# KiCad board schiffre_86_pcb.kicad_pcb (continued)
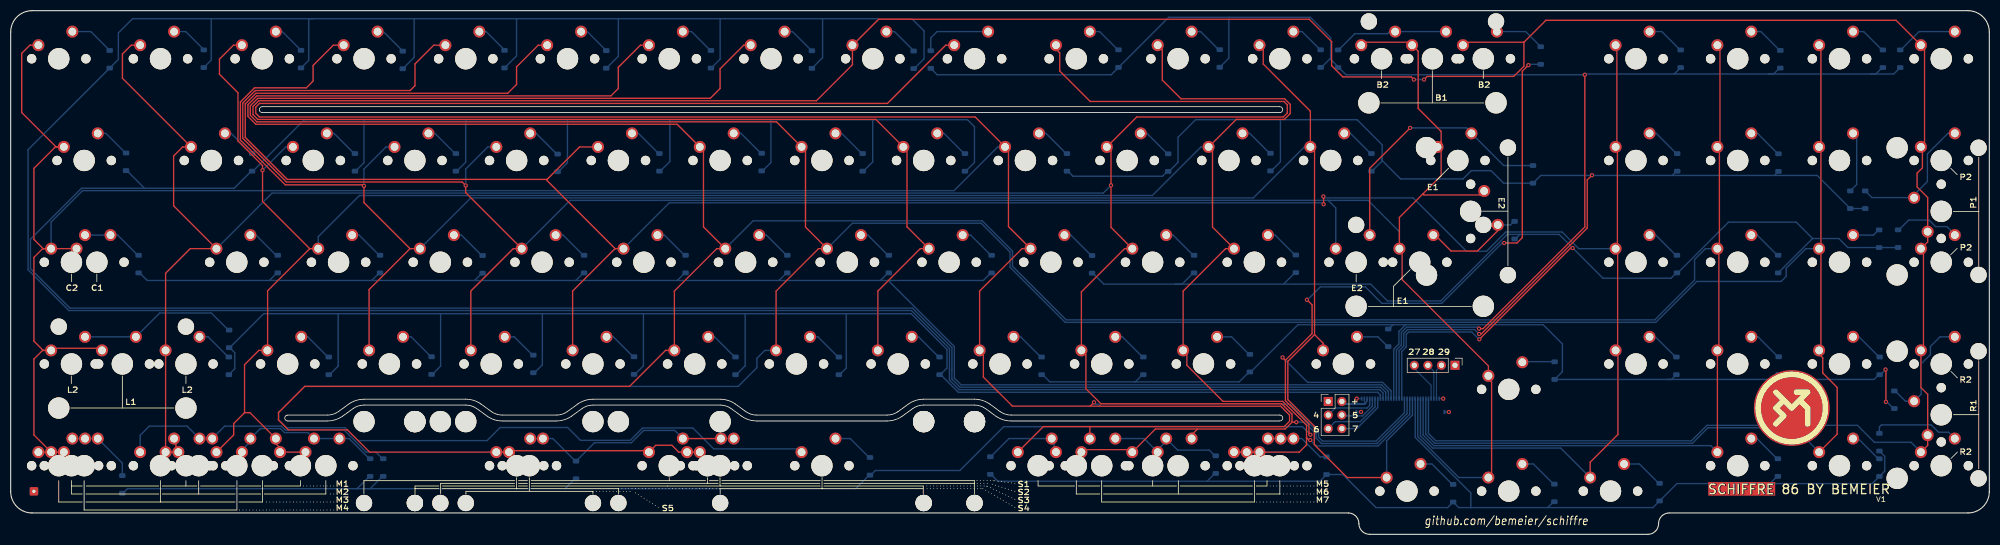
[diagram p0: board, top side]
## Nets (continued)
Net-(D63-A): D63.2 MX66.2
Net-(D65-A): D65.2 MX71.2 MX73.2
Net-(D66-A): D66.2 MX72.2 MX75.2
Net-(D67-A): D67.2 MX76.2
Net-(D68-A): D68.2 MX77.2
Net-(D69-A): D69.2 MX68.2 MX74.2
Net-(D70-A): D70.2 MX78.2
Net-(D71-A): D71.2 MX79.2
Net-(D72-A): D72.2 MX81.2
Net-(D73-A): D73.2 MX80.2
Net-(D74-A): D74.2 MX82.2
Net-(D75-A): D75.2 MX83.2
Net-(D76-A): D76.2 MX86.2
Net-(D77-A): D77.2 MX84.2
Net-(D78-A): D78.2 MX85.2
Net-(D79-A): D79.2 MX87.2
Net-(D80-A): D80.2 MX88.2
Net-(D81-A): D81.2 MX90.2
Net-(D82-A): D82.2 MX91.2
Net-(D83-A): D83.2 MX93.2
Net-(D84-A): D84.2 MX89.2
Net-(D85-A): D85.2 MX92.2
Net-(D86-A): D86.2 MX96.2
Net-(D87-A): D87.2 MX97.2
Net-(D88-A): D88.2 MX94.2 MX98.2
Net-(D89-A): D89.2 MX99.2
Net-(D90-A): D90.2 MX95.2 MX100.2
Net-(D92-A): D92.2 MX108.2
Net-(J2-Pin_3): J1.4 J2.3
Net-(J2-Pin_4): J1.5 J2.4
Net-(J2-Pin_5): J1.6 J2.5
Net-(J2-Pin_6): J1.7 J2.6
Net-(J3-Pin_2): J1.29 J3.2
Net-(J3-Pin_3): J1.28 J3.3
Net-(J3-Pin_4): J1.27 J3.4

## Via types
v1: diameter 0.8, hole 0.4, Top to Bottom, 29 vias

## Routing (per net, layer and track width the routed paths; a pad name or vN(x,y) marks a point on that pad's centre or on a via; arc(x,y) is an arc through that point)
+5V: length 6.5
  Bottom w0.2: J1.3 253.93,24.88 253.68,24.62 253.43,24.87 J1.2
  Bottom w0.4: 253.68,24.62 253.45,24.4 249.69,24.4 J2.2
GND: length 3.4
  Bottom w0.2: J1.S2 v1(269.25,22.9) ; v1(252.82,22.92) 252.8,22.9 J1.S1 ; J1.1 v1(252,25.4) ; v1(268.2,25.4) J1.30
Col0: length 819.1
  Top w0.254: 202.05,20.18 202.04,20.16 MX105.2 ; 202.05,20.18 193.33,20.18 188.55,15.39 ; 202.05,20.18 238.41,20.18 239.42,21.19 239.42,22.32 237.75,23.99 203.92,23.99 203.91,24 187.54,24 182.1,29.44 182.1,33.74 MX52.1 181.4,45.55 189.34,53.49 MX51.1 186.8,57.62 186.8,71.91 MX50.1 180.56,78.14 46.58,78.14 45.88,78.84 45.88,79.98 46.58,80.68 164.14,80.68 175.05,91.59 MX49.1 ; MX7.1 6.08,34.44 4.35,36.17 4.35,51.86 5.98,53.49 MX3.1 ; MX7.1 7.97,34.84 16.7,34.84 MX1.1 ; MX7.1 5.98,34.44 4.35,32.81 4.35,18.61 7.57,15.39 MX2.1 ; MX4.1 3.6,91.59 2.06,90.05 2.06,78.97 8.49,72.54 MX5.1 8.36,72.54 4.35,68.53 4.35,55.22 6.08,53.49 MX3.1 ; MX8.1 MX102.1 ; v1(202.81,24.71) 202.1,24 ; MX3.1 MX6.1
  Bottom w0.254: v1(202.81,24.71) 203.15,24.37 239.47,24.37 244.85,18.99 244.85,18.2 245.59,17.46 255.62,17.46 260.93,22.76 J1.17 ; MX3.1 7.57,58.48 13.44,64.35 176.6,64.35 184.79,72.54 MX50.1
Col1: length 529.8
  Top w0.254: MX103.2 30.93,17.59 30.93,15.84 MX9.1 ; 31.38,15.39 MX14.1 29,15.39 MX13.1 29,48.88 33.61,53.49 MX12.1 30.51,61.5 30.51,70.84 32.21,72.54 MX11.1 20.92,85.38 20.92,89.95 22.56,91.59 MX10.1 ; 239.88,21 238.6,19.72 222.2,19.72 ; 239.88,21 v1(240.7,21) ; 239.88,21 239.88,22.51 237.94,24.45 204.1,24.45 201.3,27.25 201.3,33.59 MX58.1 200.45,45.4 208.54,53.49 MX57.1 206,57.47 v1(206,65.35) 206,71.76 MX56.1 210.82,78.15 238.26,78.15 239,78.89 239,80.41 238.36,81.05 202.1,81.05 196.4,86.75 196.4,90.15 195.69,90.86 MX55.1 ; 222.2,19.72 221.09,18.61 MX106.2 ; 222.2,19.72 214.31,19.72 MX59.1 209.52,15.85 200.91,15.85 MX54.1
  Bottom w0.254: v1(240.7,21) 242.2,21 244.4,18.8 244.4,18.01 245.4,17 255.81,17 261.43,22.62 J1.18 ; MX12.1 48.93,63.9 204.55,63.9 v1(206,65.35)
Col2: length 465.8
  Top w0.254: 242.6,18.1 242.6,16.75 241.24,15.39 MX109.1 MX65.1 MX60.1 ; 242.6,18.1 243.05,17.65 v1(243.3,17.65) ; 242.6,18.1 242.6,20.43 238.13,24.9 226.96,24.9 220.2,31.66 220.2,33.74 MX64.1 219.5,45.55 227.44,53.49 MX63.1 225,57.52 225,71.81 MX62.1 224.29,72.54 229.45,77.7 238.45,77.7 239.55,78.8 239.55,80.5 238.5,81.55 219.1,81.55 215.6,85.05 215.6,90.73 MX61.1 ; 43.78,22.77 41.75,20.74 41.75,18.61 MX15.1 ; 43.78,22.77 44.8,22.77 MX104.2 49.64,16.99 50.43,16.2 MX20.1 MX25.1 ; 43.78,22.77 43.78,31.76 46.46,34.44 MX19.1 48.1,34.49 48.1,45.61 55.98,53.49 ; MX16.1 41.7,91.59 39.08,88.97 39.08,86.14 42.55,82.68 42.55,73.66 47.15,69.06 v1(47.15,68.17) 47.15,62.33 55.98,53.49 ; 55.98,53.49 MX18.1 ; 50.43,15.39 50.43,16.12
  Bottom w0.254: v1(243.3,17.65) 244.4,16.55 256,16.55 261.93,22.48 J1.19 ; MX17.1 51.51,72.54 v1(47.15,68.17) ; MX18.1 57.57,55.73 65.29,63.44 213.74,63.44 222.84,72.54 MX62.1
Col3: length 403.5
  Top w0.254: MX24.1 67.1,45.83 74.76,53.49 ; 244.1,37.4 239.1,32.4 239.1,25.21 244.05,20.26 244.05,16.8 250.22,10.63 MX70.1 ; 244.1,37.4 244.1,71.76 MX67.1 243.31,79.24 234.5,88.05 234.5,90.88 MX66.1 ; 244.1,37.4 245.69,35.81 MX69.1 ; MX23.1 74.76,53.49 ; 74.76,53.49 66.13,62.11 v1(66.13,65.24) 65.94,65.44 51.4,65.44 43,73.84 43,80.96 45.65,83.6 55.34,83.6 56.61,84.87 56.61,87.8 60.41,91.59 MX21.1
  Bottom w0.254: v1(66.13,65.24) 66.13,68.4 70.27,72.54 MX22.1 ; MX70.1 257.6,17.51 262.43,22.34 J1.20 ; MX67.1 242.19,72.54 232.64,62.99 86.12,62.99 MX23.1
Col4: length 471.2
  Top w0.254: 264.4,63.75 264.6,63.55 275.13,63.55 MX72.1 ; 264.4,63.75 267.8,67.15 267.8,73.55 ; 264.4,63.75 259.99,59.34 MX75.1 260.5,52.98 260.5,47.7 276.65,31.55 276.65,29.95 276.49,29.79 276.49,29.26 277.25,28.5 277.25,11.23 MX77.1 ; MX71.1 253.4,92.15 261.8,92.15 MX73.1 263.5,90.45 263.5,79.75 267.8,75.45 267.8,73.55 ; MX26.1 79.2,91.59 75.69,88.08 75.69,84.02 74.77,83.1 45.78,83.1 43.46,80.77 43.46,74.14 51.63,65.97 84.53,65.97 v1(85.19,65.32) 85.19,63.98 MX28.1 94.08,53.49 86.15,45.56 MX29.1 ; 267.8,73.55 267.8,72.9 267.44,72.54
  Bottom w0.254: MX68.1 248.08,61.1 246.65,62.53 ; 246.65,62.53 254.12,62.53 259.99,56.66 MX75.1 ; 246.65,62.53 104.72,62.53 MX28.1 ; v1(85.19,65.32) 85.19,68.4 89.32,72.54 MX27.1 ; MX77.1 271.11,10.63 263.43,18.31 J1.22
Col5: length 507.7
  Top w0.254: 100.43,66.46 106.51,72.54 MX31.1 ; 100.43,66.46 51.78,66.46 43.91,74.33 43.91,80.58 45.91,82.59 93.06,82.59 94.71,84.24 94.71,87.54 98.76,91.59 MX30.1 ; 100.43,66.46 100.43,66.23 113.14,53.51 113.14,53.49 ; MX82.1 300.78,34.75 ; MX82.1 300.47,34.43 300.9,34 300.9,18.7 295.7,13.5 MX83.1 ; MX82.1 300.85,34.82 300.85,53.11 MX81.1 300.8,53.82 300.8,72.21 MX80.1 300.7,72.77 300.7,91.36 MX79.1 ; 113.14,53.49 MX32.1 ; 113.14,53.49 105.2,45.55 MX33.1 ; v1(245.75,63.26) 245.8,63.21 v1(245.8,61.81)
  Bottom w0.254: J1.23 263.93,18.46 266.23,16.15 290.18,16.15 MX83.1 ; v1(245.8,61.81) 245.53,62.08 123.32,62.08 MX32.1 ; MX81.1 293.56,53.49 290.44,56.61 279.91,56.61 276.3,53 272.55,53 262.56,62.99 246.02,62.99 v1(245.75,63.26)
Col6: length 724.5
  Top w0.254: MX88.1 MX87.1 319.8,34.72 319.8,53.21 MX86.1 319.9,53.87 319.9,72.16 MX85.1 320,73.02 320,91.11 MX84.1 ; MX40.1 125.08,15.39 123.79,16.68 120.77,16.68 119.49,15.39 119.22,15.66 93.57,15.66 MX101.1 MX107.1 67.21,15.39 63.05,19.55 52,19.55 50.13,21.42 50.13,22.77 55.06,27.7 115.86,27.7 122.6,34.44 MX39.1 124.25,45.55 132.19,53.49 MX38.1 129.7,57.57 129.7,71.85 MX37.1 124.77,76.78 45.89,76.78 44.41,78.27 44.41,80.44 46.07,82.1 112.38,82.1 113.76,83.48 113.76,87.45 117.9,91.59 MX36.1
  Bottom w0.254: MX86.1 317.28,53.49 315.25,51.46 315.25,47.6 307.8,40.15 197.6,40.15 187.55,50.2 187.55,53.04 181.89,58.7 138.99,58.7 MX38.1 ; J1.24 264.43,18.6 266.42,16.6 318.31,16.6 MX88.1
Col7: length 825.2
  Top w0.254: MX89.1 338.9,91.26 338.9,72.87 MX90.1 338.9,72.21 338.9,53.82 MX91.1 338.9,53.16 338.9,34.77 MX92.1 338.57,33.73 339.25,33.05 339.25,30.2 341.95,27.5 341.95,18.77 MX93.1 ; MX41.1 137.24,91.59 132.81,87.16 132.81,83.48 130.98,81.65 46.25,81.65 44.86,80.25 44.86,78.45 46.08,77.23 143.37,77.23 MX42.1 148.8,71.81 148.8,57.52 MX43.1 151.24,53.49 143.3,45.55 MX44.1
  Bottom w0.254: MX43.1 157.59,58.25 181.7,58.25 187.1,52.85 187.1,50.01 197.41,39.7 307.99,39.7 315.64,47.35 331.45,47.35 332.4,48.3 332.4,49.81 336.08,53.49 MX91.1 ; MX108.1 147.46,16 131.62,16 127.72,19.9 118.3,19.9 116,17.6 106.68,17.6 104.28,20 91.62,20 89.18,17.55 65.03,17.55 62.63,19.96 51.63,19.96 50.15,21.44 50.15,22.85 55,27.7 136.2,27.7 139.7,31.2 139.7,32.95 141.19,34.44 MX44.1 ; MX93.1 334.01,19.95 317.75,19.95 314.86,17.06 266.61,17.06 264.93,18.74 J1.25
Col8: length 702.6
  Top w0.254: 283.3,92.15 283.3,87.65 281.4,85.75 265.2,85.75 v1(264.6,85.15) ; 283.3,92.15 287.4,96.25 352.96,96.25 MX97.1 358.3,90.91 358.3,73.22 357.62,72.54 357.9,72.26 357.9,68.62 356.91,67.63 356.91,65.04 358.89,63.06 MX98.1 358.89,54.76 MX99.1 358.1,53.01 358.1,34.92 MX95.1 357.62,27.5 358.89,26.23 MX100.1 358.89,16.66 MX96.1 ; 283.3,92.15 272.45,92.15 MX78.1 ; MX48.1 162.35,45.55 170.29,53.49 MX47.1 167.8,57.57 167.8,71.86 MX46.1 161.97,77.69 46.27,77.69 45.37,78.59 45.37,80.12 46.44,81.19 150.84,81.19 157.59,87.94 MX45.1 157.64,91.59 162.5,96.45 243.1,96.45 247.3,92.25 247.3,87.75 249.4,85.65 262.2,85.65 v1(262.7,85.15)
  Bottom w0.254: MX96.1 355.78,17.23 348.92,17.23 345.75,20.4 317.56,20.4 314.67,17.51 266.8,17.51 265.43,18.88 J1.26 ; v1(262.7,85.15) v1(264.6,85.15)
Row0: length 550.7
  Bottom w0.254: 94.7,96.55 94.7,89.58 92.45,87.33 ; 94.7,96.55 75.54,96.55 ; 94.7,96.55 113.77,96.55 ; D21.1 75.54,89.32 75.54,96.55 ; 152,96.55 152,89.25 D38.1 ; 152,96.55 132.82,96.55 ; 152,96.55 168.7,96.55 171,94.25 171,89.05 169.33,87.38 ; 75.54,96.55 56.6,96.55 ; J1.9 256.93,26.45 256.28,27.09 177.55,27.09 175.75,28.89 175.75,30.96 175.75,30.96 175.75,34.79 168.64,41.9 10.9,41.9 3.25,49.55 3.25,72.01 D7.1 20.16,88.93 20.16,93.89 22.82,96.55 37.55,96.55 ; 37.55,96.55 56.6,96.55 ; 37.55,96.55 37.55,88.8 D11.1 ; 56.6,96.55 55.85,96.55 55.8,96.5 55.8,88.75 54.38,87.33 54.35,87.33 ; D34.1 131.15,87.3 132.82,88.97 132.82,96.55 ; D29.1 111.53,87.28 113.77,89.52 113.77,96.55 ; 132.82,96.55 113.77,96.55
Row1: length 536.9
  Bottom w0.254: 142.34,77.64 142.34,69.64 140.75,68.05 D35.1 ; 142.34,77.64 161.38,77.64 ; 142.34,77.64 123.41,77.64 ; 104.24,77.64 123.41,77.64 ; 104.24,77.64 104.24,69.59 102.55,67.9 D25.1 ; 104.24,77.64 85.19,77.64 ; 123.41,77.64 123.41,69.81 121.6,68 D30.1 ; J1.10 257.43,26.59 256.47,27.55 177.74,27.55 176.2,29.08 176.2,30.77 176.21,30.77 176.21,34.98 168.83,42.35 11.09,42.35 3.7,49.74 3.7,55.25 13.25,64.8 41.85,64.8 45.05,68 D12.1 45.35,68 54.99,77.64 66.13,77.64 ; 161.38,77.64 161.38,69.74 159.65,68 D39.1 ; 161.38,77.64 179.12,77.64 180.44,76.32 180.44,69.64 178.79,67.99 D43.1 ; 66.13,77.64 85.19,77.64 ; 66.13,77.64 66.13,69.59 64.55,68 D16.1 ; 85.19,77.64 85.19,69.69 83.5,68 D22.1 ; D8.1 21.75,68.1 25.05,64.8
Row2: length 282.9
  Bottom w0.254: 162.85,47.54 162.85,47.55 164.25,48.95 D40.1 ; 162.85,47.54 143.85,47.54 ; 162.85,47.54 182.09,47.54 183.49,48.94 D44.1 ; D19.1 88.21,48.9 86.85,47.54 ; 124.8,47.54 126.21,48.95 D31.1 ; 124.8,47.54 105.8,47.54 ; 124.8,47.54 143.85,47.54 ; 143.85,47.54 145.26,48.95 D36.1 ; 86.85,47.54 105.8,47.54 ; 86.85,47.54 67.6,47.54 ; 105.8,47.54 107.21,48.95 D26.1 ; J1.11 257.93,26.73 256.66,28 177.93,28 176.66,29.26 176.66,35.16 164.29,47.54 164.15,47.54 ; 48.45,47.54 25.56,47.54 24.15,48.95 D4.1 ; 48.45,47.54 67.6,47.54 ; 48.45,47.54 49.86,48.95 D13.1 ; 67.6,47.54 69.01,48.95 D17.1
Row3: length 308.8
  Bottom w0.254: 61.31,41.31 61.31,31.51 59.7,29.9 D18.1 ; 61.31,41.31 80.49,41.31 ; 61.31,41.31 47.36,41.31 41.24,35.19 41.24,34.71 ; 41.24,34.71 41.95,34 41.95,31 D10.1 ; 41.24,34.71 41,34.95 D5.1 ; D27.1 98.06,30.26 99.54,31.74 99.54,41.31 ; 137.51,41.31 156.43,41.31 ; 137.51,41.31 137.51,31.56 135.85,29.9 D33.1 ; 137.51,41.31 118.46,41.31 ; 156.43,41.31 168.59,41.31 175.3,34.6 175.3,31.15 174.05,29.9 D41.1 174.1,29.9 177.4,26.6 255.93,26.6 256.43,26.1 J1.8 ; 156.43,41.31 156.43,31.13 155.19,29.89 D37.1 ; 80.49,41.31 80.49,31.49 78.95,29.95 D23.1 ; 80.49,41.31 99.54,41.31 ; 99.54,41.31 118.46,41.31 ; D28.1 116.85,29.95 118.46,31.56 118.46,41.31
Row4: length 376.2
  Top w0.254: 238.65,32.59 243.65,37.59 243.65,42.95 v1(242.67,43.93) ; 238.65,32.59 238.65,25.03 243.05,20.62 243.05,18.92 v1(243.33,18.65) ; 238.65,32.59 v1(238.12,33.12) ; v1(284.15,87.85) 283.76,87.46 283.75,87.46 283,86.71 283,55.55 282,54.55 v1(279.6,54.55)
  Bottom w0.254: v1(243.33,18.65) 241.83,20.15 185.9,20.15 177.7,11.95 161.9,11.95 161.04,11.09 D92.1 160.74,11.09 158.2,8.55 103.8,8.55 ; D14.1 67.15,10.85 64.85,8.55 64.7,8.55 ; 64.7,8.55 66.7,8.55 ; 64.7,8.55 21.87,8.55 21.03,7.7 D6.1 ; v1(242.67,43.93) 242.77,43.93 245.18,46.33 253.62,46.33 256.7,43.25 267.91,43.25 279.21,54.55 v1(279.6,54.55) ; 66.7,8.55 67.3,8.55 69.6,10.85 D9.1 ; 66.7,8.55 103.8,8.55 ; D70.1 284.3,88 v1(284.15,87.85) ; 103.8,8.55 105.65,10.4 D20.1 ; J1.12 258.43,26.87 256.85,28.45 242.8,28.45 238.13,33.12 v1(238.12,33.12)
Row5: length 298.5
  Top w0.254: v1(294.7,86.05) 294.7,57.54 275.67,38.52 v1(274.9,38.52)
  Bottom w0.254: 348.23,86.2 352.55,86.2 D87.1 ; 348.23,86.2 329.15,86.2 ; 348.23,86.2 349.2,86.2 350.4,87.4 D84.1 ; 228.06,96.81 243.3,96.81 247.11,93 247.11,90 ; 228.06,96.81 216.79,96.81 206.02,86.05 173.45,86.05 D48.1 ; 228.06,96.81 228.06,89.16 D56.1 ; v1(274.9,38.52) 274.63,38.79 261.34,38.79 260.35,37.8 260.35,35.46 259.43,34.54 J1.14 ; 311.45,86.2 329.15,86.2 ; 311.45,86.2 D71.1 ; 311.45,86.2 294.85,86.2 v1(294.7,86.05) 250,86.05 247.11,88.94 247.11,90 ; 329.15,86.2 330.05,86.2 331.16,87.31 D77.1 ; D63.1 245.38,87.43 247.11,89.16 247.11,90
Row6: length 250.2
  Top w0.254: v1(296.05,67.25) 295.15,66.35 295.15,57.35 275.32,37.52 v1(274.93,37.52)
  Bottom w0.254: D49.1 197.93,67.99 198.87,67.05 215.62,67.05 216.52,67.95 D53.1 216.85,67.95 218.54,69.64 218.54,74.33 221.84,77.64 237.71,77.64 ; 237.71,77.64 252.06,77.64 256.76,72.94 256.76,70.4 ; 237.71,77.64 237.71,69.76 236,68.05 D57.1 ; v1(274.93,37.52) 274.87,37.52 274.05,38.33 261.53,38.33 260.81,37.62 260.81,35.27 259.93,34.39 J1.15 ; 256.76,70.4 256.76,69.91 254.85,68 D61.1 ; 256.76,70.4 256.76,69.99 260.2,66.55 271.9,66.55 273.45,68.1 277.15,68.1 279.5,65.75 D69.1 286.45,67.2 296,67.2 v1(296.05,67.25) 296.1,67.2 338.2,67.2 D81.1 D88.1 ; D73.1 311.84,67.99 311.05,67.2 ; D78.1 330.25,67.25
Row7: length 237.4
  Top w0.254: v1(292.43,53.6) 292.04,53.6 274.96,36.52 v1(274.96,36.52)
  Bottom w0.254: J1.16 260.43,34.25 261.26,35.09 261.26,37.43 261.71,37.88 273.54,37.88 274.9,36.52 v1(274.96,36.52) ; 282.55,56.16 281.69,55.3 D66.1 ; 282.55,56.16 289.89,56.16 292.43,53.62 v1(292.43,53.6) 292.45,53.6 298.1,47.95 310.85,47.95 311.85,48.95 D72.1 312.1,48.95 321.6,58.45 334.28,58.45 337.34,55.39 ; 282.55,56.16 280.18,56.16 267.73,43.7 257.75,43.7 254.6,46.85 218,46.85 ; 218,46.85 219.3,46.85 221.4,48.95 D52.1 ; 218,46.85 204.65,46.85 202.6,48.9 D47.1 ; 337.34,55.39 D76.1 ; 337.34,55.39 342.26,55.39 343.95,53.7 353.34,53.7 D89.1 ; 238.3,46.85 240.45,49 D58.1
Row8: length 204
  Top w0.254: v1(351.07,24.8) 351.07,30.78 v1(351,30.85)
  Bottom w0.254: 329.95,29 330.9,29.95 D79.1 ; 329.95,29 348.85,29 349.75,29.9 D85.1 350.05,29.9 v1(351,30.85) ; 329.95,29 310.07,29 ; 261.15,39.24 259.9,37.99 259.9,35.65 258.93,34.68 J1.13 ; 261.15,39.24 286.91,39.24 290.5,35.65 290.5,30.45 D67.1 310.07,29 ; 261.15,39.24 258.85,39.24 ; 210.35,28.55 194.55,28.55 193.2,29.9 D46.1 ; 210.35,28.55 230,28.55 231.85,30.4 D59.1 232.15,30.4 240.99,39.24 258.85,39.24 ; 210.35,28.55 210.55,28.55 211.9,29.9 D54.1 ; 310.07,29 310.95,29 D74.1 ; v1(351.07,24.8) 351.25,24.8 352.5,23.55 D90.1 ; 258.85,39.24 258.79,39.24 258,38.45 D62.1
Row9: length 210.6
  Bottom w0.254: D50.1 225.45,11.4 224,9.95 ; 273.36,5 287.74,5 ; 273.36,5 273.36,7.74 262.95,18.15 262.95,25.38 J1.21 ; 273.36,5 271.1,5 D60.1 269,5 255.61,5 249.41,11.2 D55.1 245.1,9.95 184.8,9.95 183.52,11.23 183.4,11.23 ; 328.37,9.5 348.51,9.5 350.85,11.84 350.85,14.61 D86.1 ; 328.37,9.5 311.95,9.5 D75.1 307.45,5 287.76,5 288.86,6.1 D68.1 ; 328.37,9.5 329.35,9.5 330.7,10.85 D80.1
Net-(D4-A): length 11.6
  Bottom w0.254: D4.2 23.8,52.25 20.02,56.03 MX6.2 MX3.2
Net-(D5-A): length 30.1
  Bottom w0.254: D5.2 40.75,38.25 37.56,41.44 27.91,41.44 23.44,36.98 MX7.2
Net-(D6-A): length 13.6
  Bottom w0.254: MX8.2 MX102.2 ; 13.92,17.93 MX2.2 20.9,13.33 D6.2
Net-(D7-A): length 8.5
  Bottom w0.254: D7.2 15.01,94.13 MX4.2
Net-(D8-A): length 6.8
  Bottom w0.254: D8.2 21.5,71.4 17.82,75.08 MX5.2
Net-(D9-A): length 53.8
  Bottom w0.254: MX103.1 24.24,18.54 25.95,20.26 33.03,20.26 MX14.2 MX9.2 ; D9.2 69.62,14.15 68.38,15.4 66.54,15.4 62.44,19.5 51.45,19.5 50.7,20.25 40.05,20.25 37.73,17.93
Net-(D10-A): length 7.1
  Bottom w0.254: D10.2 40.75,33.2 36.97,36.98 MX13.2
Net-(D11-A): length 7
  Bottom w0.254: D11.2 36.15,90.75 32.77,94.13 MX10.2
Net-(D12-A): length 6.7
  Bottom w0.254: 40.12,75.08 41.27,75.08 45.05,71.3 D12.2
Net-(D13-A): length 6.7
  Bottom w0.254: MX12.2 45.92,56.03 49.7,52.25 D13.2
Net-(D14-A): length 28.7
  Bottom w0.254: D14.2 67.15,14.15 63.37,17.93 56.78,17.93 ; MX104.1 43.29,15.79 44.88,17.38 MX15.2 46.74,19.8 50.51,19.8 51.26,19.05 55.66,19.05 MX20.2
Net-(D15-A): length 6.2
  Bottom w0.254: D15.2 50.84,94.13 MX16.2
Net-(D16-A): length 6.8
  Bottom w0.254: D16.2 64.3,71.3 60.52,75.08 MX17.2
Net-(D17-A): length 6.8
  Bottom w0.254: D17.2 69,52.25 65.22,56.03 MX18.2
Net-(D18-A): length 6.7
  Bottom w0.254: D18.2 59.4,33.2 55.62,36.98 MX19.2
Net-(D19-A): length 7
  Bottom w0.254: MX23.2 84.37,56.03 88.2,52.2 D19.2
Net-(D20-A): length 42.9
  Top w0.254: MX34.2 MX35.2
  Bottom w0.254: 132.98,17.93 MX40.2 ; MX107.2 MX101.2 101.49,17.93 105.72,13.7 D20.2 109.29,17.15 116.19,17.15 118.49,19.45 124.32,19.45 MX35.2
Net-(D21-A): length 6.2
  Bottom w0.254: 73.4,90.48 73.4,90.5 69.77,94.13 MX21.2
Net-(D22-A): length 6.7
  Bottom w0.254: MX22.2 79.42,75.08 83.2,71.3 D22.2
Net-(D23-A): length 6.9
  Bottom w0.254: D23.2 78.7,33.25 74.97,36.98 MX24.2
Net-(D24-A): length 6.2
  Bottom w0.254: MX26.2 89.02,94.13 92.45,90.7 D24.2
Net-(D25-A): length 6.7
  Bottom w0.254: MX27.2 98.37,75.08 102.25,71.2 D25.2
Net-(D26-A): length 6.9
  Bottom w0.254: MX28.2 103.42,56.03 107.2,52.25 D26.2
Net-(D27-A): length 6.8
  Bottom w0.254: D27.2 97.69,33.56 94.27,36.98 MX29.2
Net-(D28-A): length 6.7
  Bottom w0.254: D28.2 116.55,33.25 112.82,36.98 MX33.2
Net-(D29-A): length 6.2
  Bottom w0.254: D29.2 107.94,94.13 MX30.2
Net-(D30-A): length 6.7
  Bottom w0.254: MX31.2 117.52,75.08 121.3,71.3 D30.2
Net-(D31-A): length 6.8
  Bottom w0.254: D31.2 126.15,52.25 122.37,56.03 MX32.2
Net-(D33-A): length 6.7
  Bottom w0.254: D33.2 135.55,33.2 131.77,36.98 MX39.2
Net-(D34-A): length 6.7
  Bottom w0.254: MX36.2 127.47,94.13 131,90.6 D34.2
Net-(D35-A): length 6.8
  Bottom w0.254: MX37.2 136.72,75.08 140.45,71.35 D35.2
Net-(D36-A): length 6.8
  Bottom w0.254: MX38.2 141.47,56.03 145.25,52.25 D36.2
Net-(D37-A): length 7
  Bottom w0.254: D37.2 154.91,33.19 151.12,36.98 MX44.2
Net-(D38-A): length 6.6
  Bottom w0.254: D38.2 149.95,90.55 146.37,94.13 MX41.2
Net-(D39-A): length 6.7
  Bottom w0.254: MX42.2 155.57,75.08 159.35,71.3 D39.2
Net-(D40-A): length 6.8
  Bottom w0.254: MX43.2 160.47,56.03 164.25,52.25 D40.2
Net-(D41-A): length 6.8
  Bottom w0.254: D41.2 173.75,33.2 169.97,36.98 MX48.2
Net-(D42-A): length 6.6
  Bottom w0.254: MX45.2 165.47,94.13 169.05,90.55 D42.2
Net-(D43-A): length 6.8
  Bottom w0.254: D43.2 178.51,71.29 174.72,75.08 173.46,75.08
Net-(D44-A): length 7
  Bottom w0.254: MX47.2 179.72,56.03 183.51,52.24 D44.2
Net-(D45-A): length 15.8
  Bottom w0.254: D45.2 183.48,14.53 186.88,17.93 MX53.2 195.32,17.51 195.32,15.76 MX105.1
Net-(D46-A): length 6.8
  Bottom w0.254: MX52.2 189.07,36.98 192.85,33.2 D46.2
Net-(D47-A): length 6.8
  Bottom w0.254: D47.2 202.3,52.2 198.47,56.03 MX51.2
Net-(D48-A): length 13.6
  Bottom w0.254: D48.2 172.25,92.95 173.44,94.13 MX49.2
Net-(D49-A): length 6.8
  Bottom w0.254: D49.2 197.61,71.29 193.82,75.08 MX50.2
Net-(D50-A): length 22.8
  Bottom w0.254: D50.2 225.45,14.7 224.39,15.76 218.5,15.76 MX59.2 216.33,17.41 214.74,15.83 MX106.1 212.2,17.93 MX54.2
Net-(D51-A): length 6.8
  Bottom w0.254: D51.2 207.27,90.73 203.87,94.13 MX55.2
Net-(D52-A): length 6.8
  Bottom w0.254: D52.2 221.4,52.25 217.62,56.03 MX57.2
Net-(D53-A): length 6.7
  Bottom w0.254: D53.2 216.55,71.25 212.72,75.08 MX56.2
Net-(D54-A): length 6.8
  Bottom w0.254: MX58.2 208.12,36.98 211.9,33.2 D54.2
Net-(D55-A): length 12.4
  Bottom w0.254: 235.38,17.93 241.72,17.93 245.15,14.5 D55.2
Net-(D56-A): length 6.7
  Bottom w0.254: D56.2 226.15,90.75 222.77,94.13 MX61.2
Net-(D57-A): length 6.8
  Bottom w0.254: MX62.2 231.97,75.08 235.7,71.35 D57.2
Net-(D58-A): length 6.8
  Bottom w0.254: D58.2 240.45,52.3 236.72,56.03 MX63.2
Net-(D59-A): length 7.5
  Bottom w0.254: MX64.2 228.57,36.98 231.85,33.7 D59.2
Net-(D60-A): length 7.7
  Bottom w0.254: D60.2 269.9,9.35 266.08,13.17 MX70.2
Net-(D61-A): length 6.7
  Bottom w0.254: MX67.2 250.82,75.08 254.6,71.3 D61.2
Net-(D62-A): length 6.6
  Bottom w0.254: D62.2 257.8,35.15 255.97,36.98 MX69.2
Net-(D63-A): length 6.5
  Bottom w0.254: D63.2 245.18,90.73 241.77,94.13 MX66.2
Net-(D65-A): length 21.6
  Bottom w0.254: D65.2 248.6,90.7 251.64,93.74 257.76,93.74 258.14,94.13 MX71.2 MX73.2
Net-(D66-A): length 19
  Top w0.254: 278.4,57.94 278.4,56.85 274.6,53.05 269.66,53.05 266.68,56.03 MX75.2
  Bottom w0.254: 281.31,58.36 281.21,58.36 280.79,57.94 278.4,57.94
Net-(D67-A): length 6.1
  Bottom w0.254: D67.2 289.02,32.33 283.11,32.33 MX76.2
Net-(D68-A): length 7.6
  Bottom w0.254: D68.2 288.85,9.4 285.08,13.17 MX77.2
Net-(D69-A): length 49.2
  Top w0.254: MX68.2 254.43,68.53 v1(262,76.1)
  Bottom w0.254: v1(262,76.1) 272.6,76.1 273.48,75.22 MX74.2 279.51,69.05 D69.2
Net-(D70-A): length 9.4
  Bottom w0.254: D70.2 283.62,94.13 MX78.2
Net-(D71-A): length 7.3
  Bottom w0.254: MX79.2 309.12,94.13 312.55,90.7 D71.2
Net-(D72-A): length 6.7
  Bottom w0.254: MX81.2 307.97,56.03 311.75,52.25 D72.2
Net-(D73-A): length 6.7
  Bottom w0.254: D73.2 311.86,71.29 308.07,75.08 MX80.2
Net-(D74-A): length 6.6
  Bottom w0.254: MX82.2 307.92,36.98 311.7,33.2 D74.2
Net-(D75-A): length 8.1
  Bottom w0.254: MX83.2 304.93,13.17 308.55,9.55 D75.2
Net-(D76-A): length 6.6
  Bottom w0.254: D76.2 330.75,52.25 326.97,56.03 MX86.2
Net-(D77-A): length 6.9
  Bottom w0.254: MX84.2 327.68,94.13 331.19,90.61 D77.2
Net-(D78-A): length 6.7
  Bottom w0.254: D78.2 330.85,71.25 327.02,75.08 MX85.2
Net-(D79-A): length 6.7
  Bottom w0.254: D79.2 330.85,33.25 327.12,36.98 MX87.2
Net-(D80-A): length 6.5
  Bottom w0.254: D80.2 330.7,14.15 326.92,17.93 MX88.2
Net-(D81-A): length 11.6
  Bottom w0.254: MX90.2 345.6,74.4 345.6,65.5 D81.2
Net-(D82-A): length 5.3
  Bottom w0.254: D82.2 349.7,57 348.73,56.03 MX91.2
Net-(D83-A): length 6.5
  Bottom w0.254: D83.2 349.66,14.14 345.87,17.93 MX93.2
Net-(D84-A): length 7
  Bottom w0.254: D84.2 350.35,90.7 346.92,94.13 MX89.2
Net-(D85-A): length 6.5
  Bottom w0.254: MX92.2 346.02,36.98 349.8,33.2 D85.2
Net-(D86-A): length 16.5
  Bottom w0.254: D86.2 349.85,20.1 350.24,20.49 359.55,20.49 360.92,19.12 362.78,19.12 MX96.2
Net-(D87-A): length 11.6
  Bottom w0.254: D87.2 353.85,90.7 357.28,94.13 MX97.2
Net-(D88-A): length 25.7
  Bottom w0.254: MX94.2 362.68,75.08 358.84,71.24 358.84,66.06 356.35,63.57 MX98.2 356.32,63.05 348.45,63.05 D88.2
Net-(D89-A): length 12.6
  Bottom w0.254: MX99.2 363.97,56.15 362.5,57.62 360.36,57.62 359.14,58.84 355.34,58.84 353.51,57.01 D89.2
Net-(D90-A): length 21.3
  Bottom w0.254: D90.2 352.8,26.85 354.73,24.92 MX100.2 357.67,26.24 357.67,31.92 359.4,33.65 359.4,35.17 361.21,36.98 MX95.2
Net-(D92-A): length 7.9
  Bottom w0.254: MX108.2 157.17,17.93 160.71,14.39 D92.2
Net-(J2-Pin_3): length 9.8
  Bottom w0.254: J1.4 254.43,24.15 253.93,23.65 247.99,23.65 J2.3
Net-(J2-Pin_4): length 7.9
  Bottom w0.254: J2.4 249.38,22.17 253.1,22.17 254.93,24 J1.5
Net-(J2-Pin_5): length 12
  Bottom w0.254: J2.5 247.98,21.1 252.67,21.1 255.43,23.86 J1.6
Net-(J2-Pin_6): length 10
  Bottom w0.254: J1.7 255.93,23.72 252,19.8 J2.6
Net-(J3-Pin_2): length 6.6
  Bottom w0.2: J3.2 266.93,30.72 J1.29
Net-(J3-Pin_3): length 6.7
  Bottom w0.2: J1.28 266.43,30.54 J3.3
Net-(J3-Pin_4): length 7.6
  Bottom w0.2: J1.27 265.93,27.9 262.78,31.05 J3.4

## Copper pours and planes (outline as drawn; the poured copper is in the pictures)
GND on Top, Bottom: 0,98.05 370.45,98.05 370.4,0 0,0
Plane2 on Top: 0,0 0,12.65 370.42,12.65 370.4,0

Small or netless copper shapes (teardrops, artwork), in the pictures only: 197 on Top, 395 on Bottom

## Text on the board
Top: SCHIFFRE
F.Silkscreen: V1 | E2 | C2 | L2 | C1 | L1 | M1 | M2 | M3 | M4 | S5 | S1 | S2 | S3 | S4 | 4 | 6 | M5 | M6 | M7 | + | 5 | 7 | B2 | E1 | 27 | 28 | B1 | 29 | P2 | R2 | P1 | R1 | github.com/bemeier/schiffre | SCHIFFRE 86 BY BEMEIER
